# Altium PCB PCB_8ct61.PcbDoc
Units mil, origin at the board's own origin, x right, y up, seen from the top; angles counter-clockwise.
Board outline 3228.35 x 3149.61 mil, 2 copper layers (Top Layer, Bottom Layer); 53 components, 49 nets, 229 pads, 0 vias.
Unrouted connection lines stored in the file: 124.
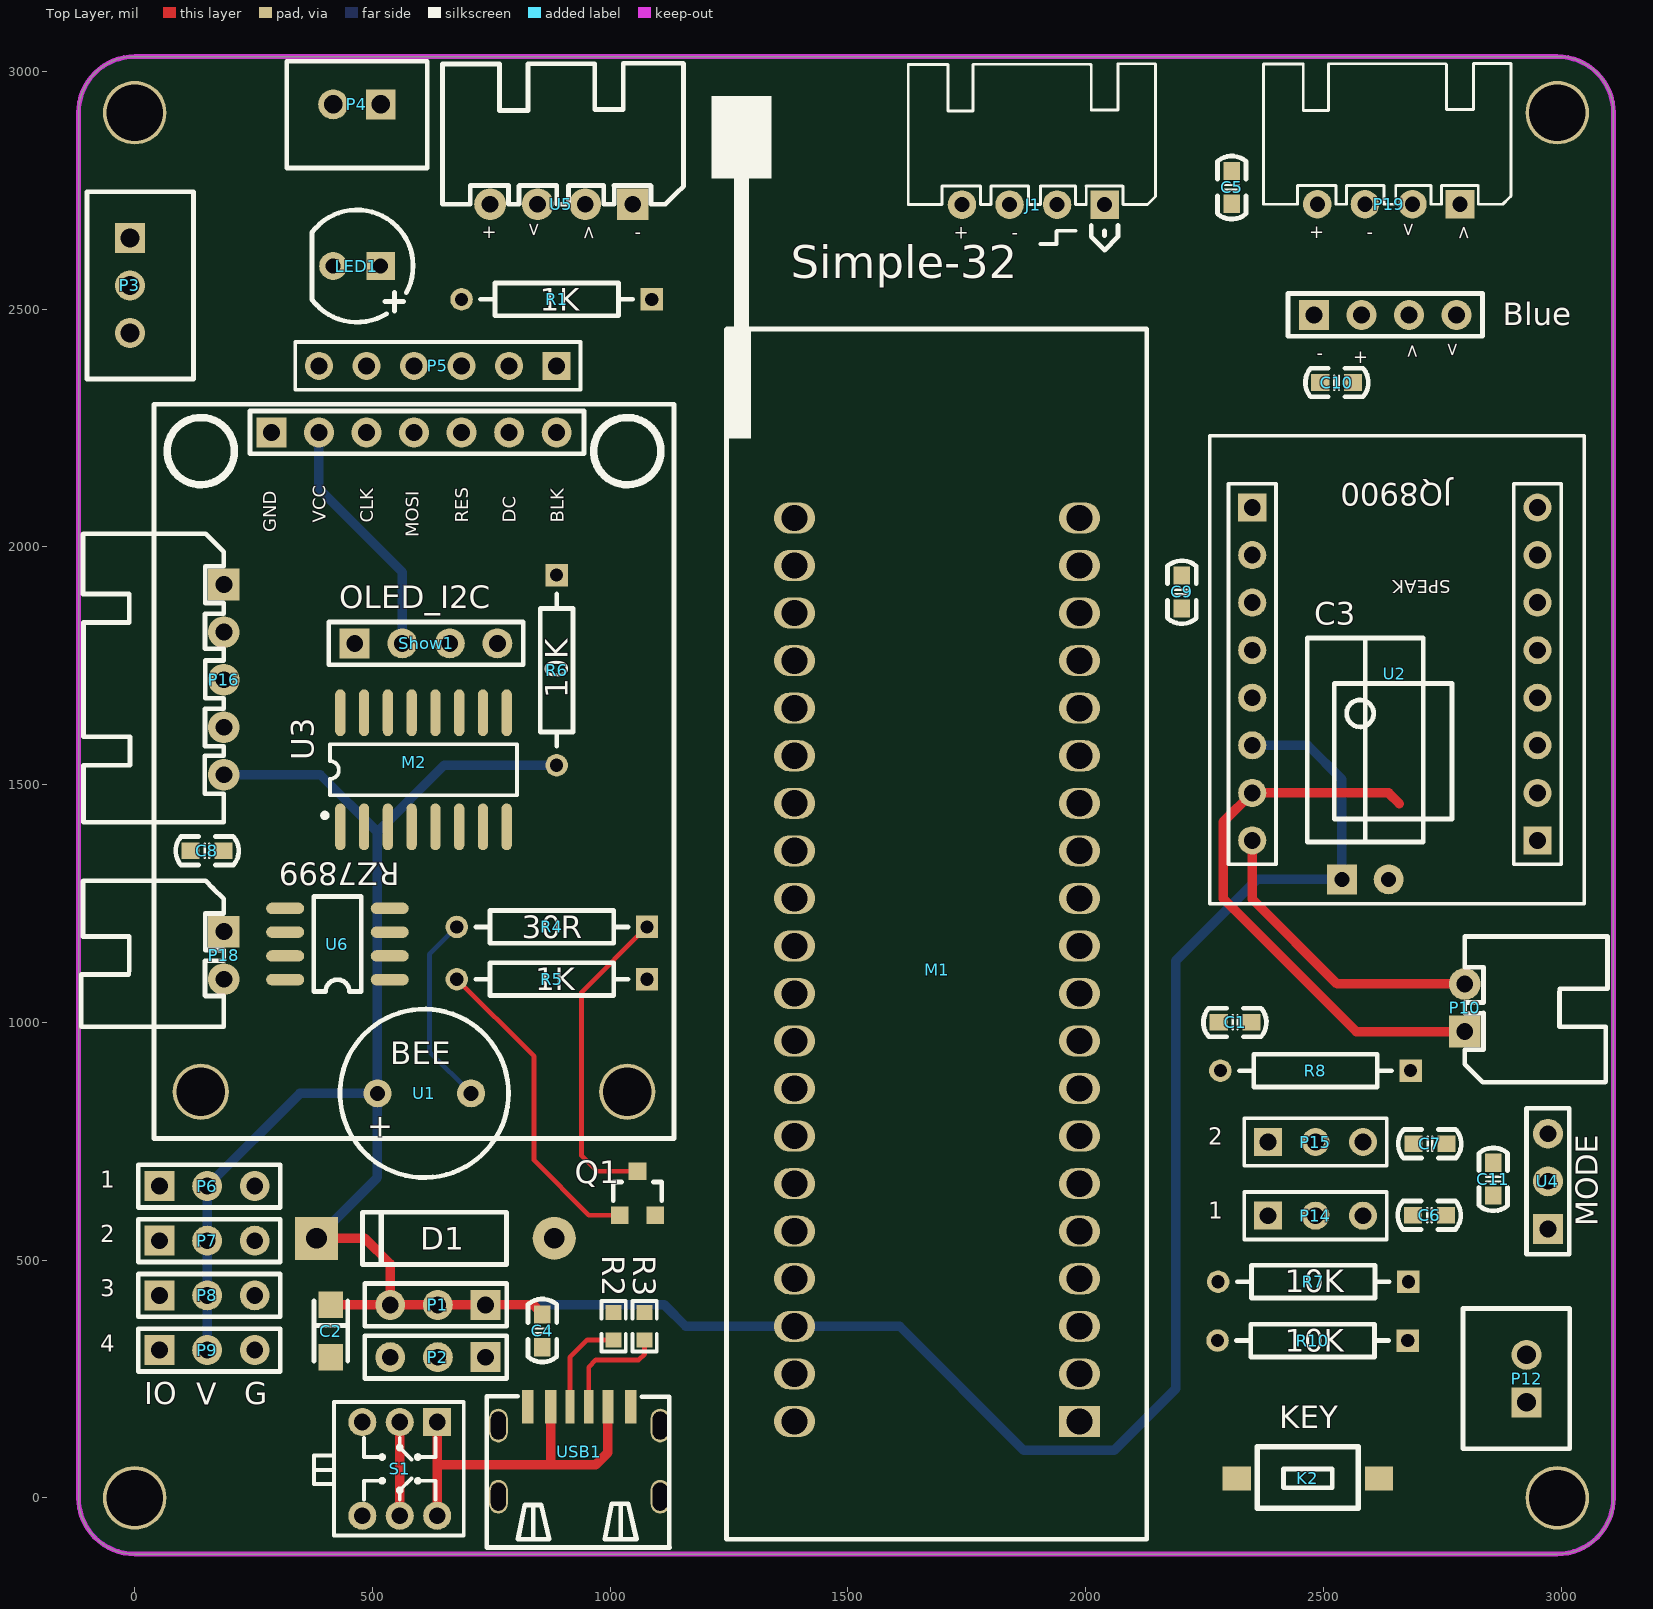
[diagram p0: Top Layer view]
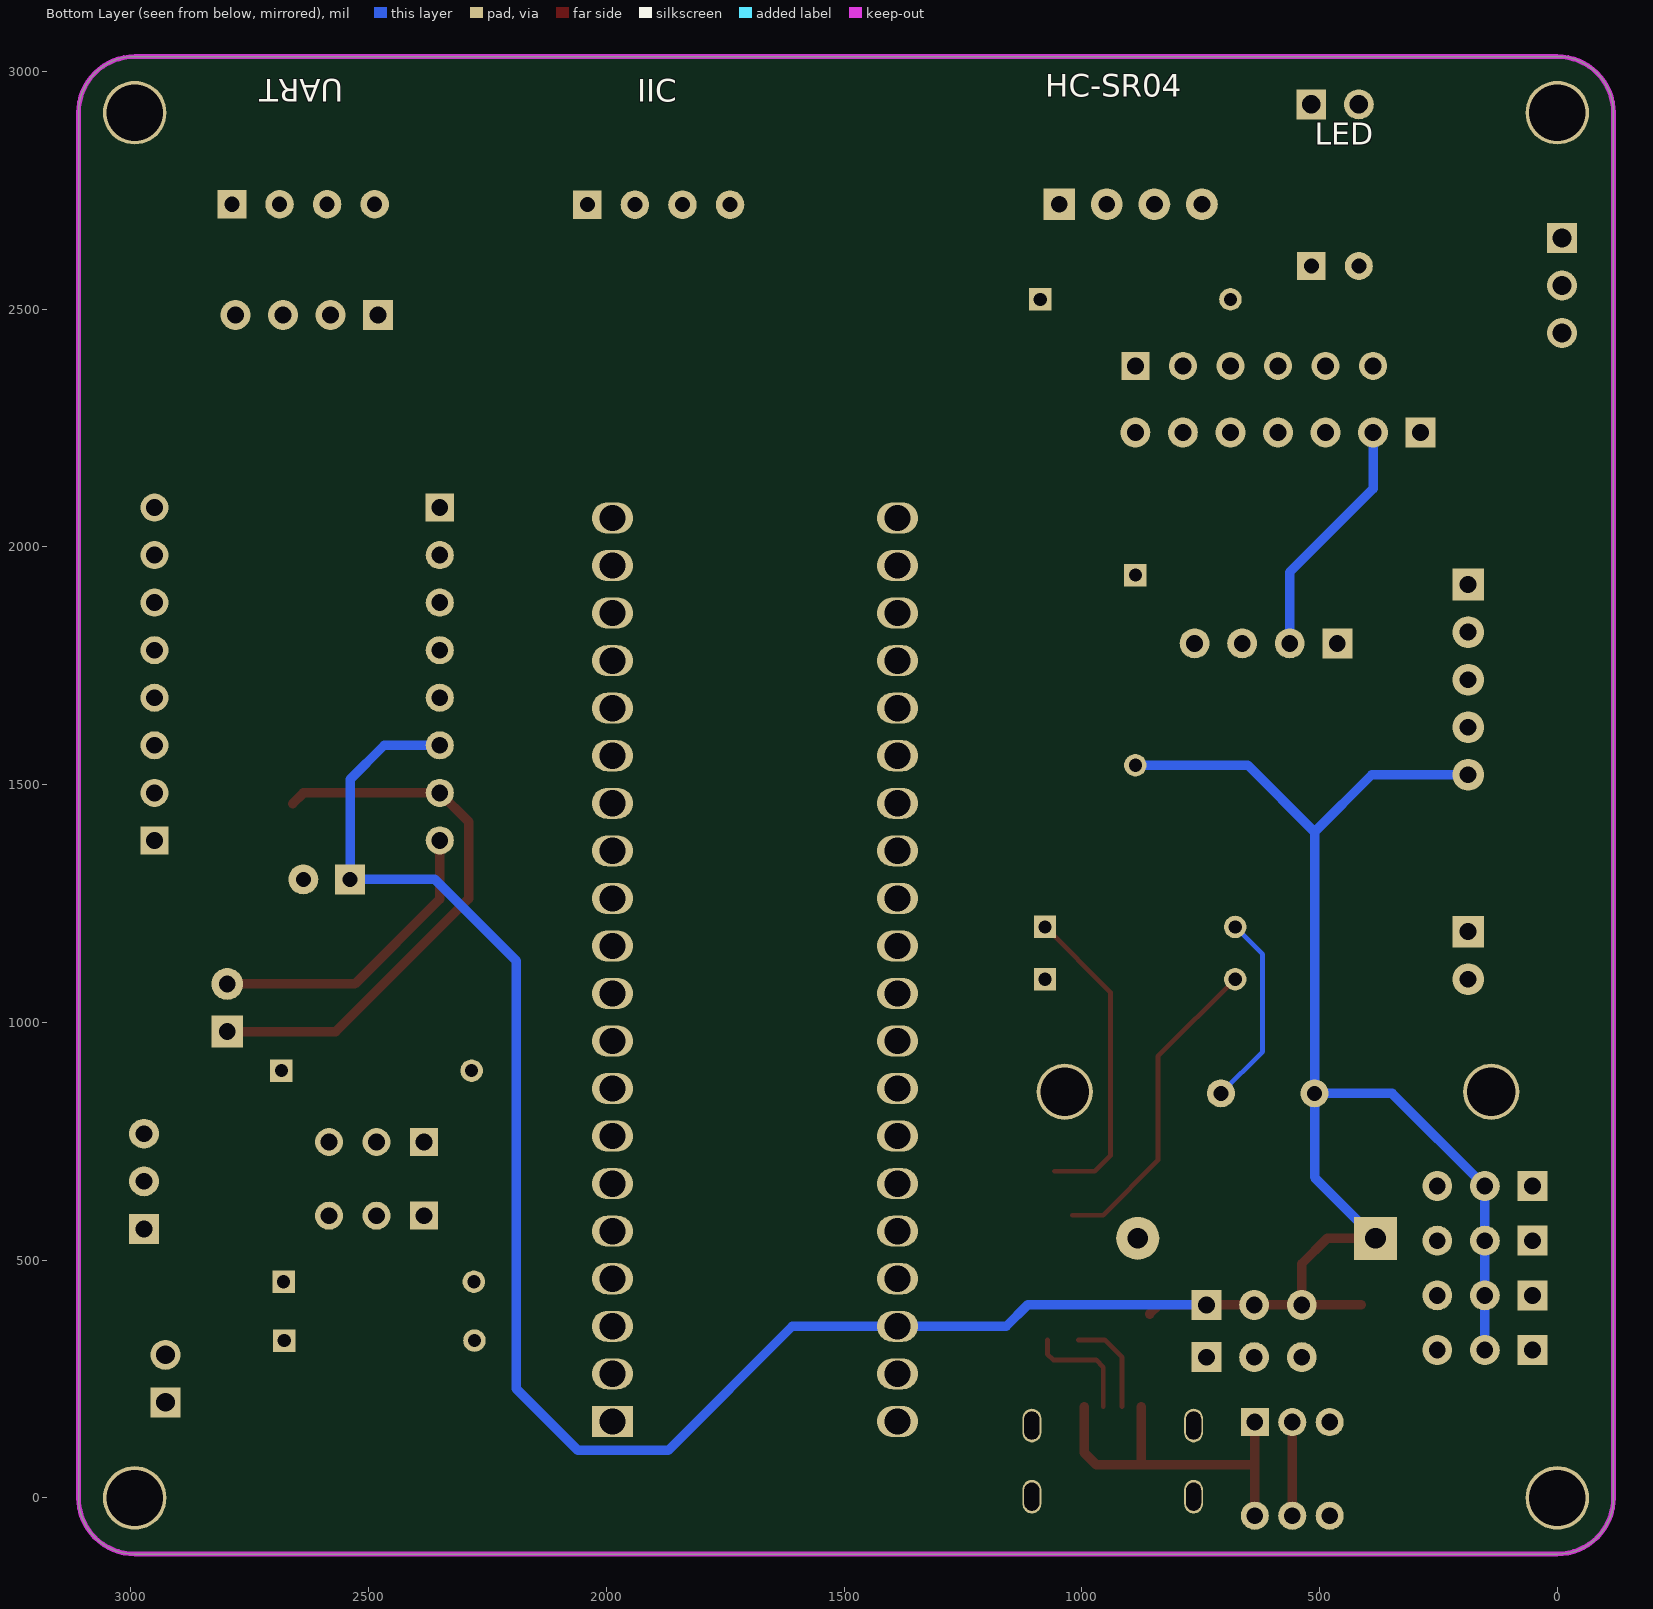
[diagram p1: Bottom Layer view, seen from below]

## Layer stack, top to bottom
Top Solder: solder mask 0.4, Solder Resist, Dk 3.5
Top Layer: signal copper 1.4
Dielectric 1: dielectric 12.6, FR-4, Dk 4.8
Bottom Layer: signal copper 1.4
Bottom Solder: solder mask 0.4, Solder Resist, Dk 3.5

## Board outline
-118.11,0 ccw(c0,0) 0,-118.11 2992.13,-118.11 ccw(c2992.13,0) 3110.24,0 3110.24,2913.39 ccw(c2992.13,2913.39) 2992.13,3031.5 0,3031.5 ccw(c0,2913.39) -118.11,2913.39

## Design rules (kind name [scope] priority, off if disabled: settings)
Clearance [All] p1: gap=8 ignorepadtopadclearanceinfootprint=TRUE
Height [All] p1: minheight=0 maxheight=2000 prefheight=500
HoleSize [All] p1: absolutevalues=TRUE maxlimit=118.11 minlimit=1 maxpercent=80.000 minpercent=20.000
MinimumSolderMaskSliver [All] p1: minsoldermaskwidth=8
PolygonConnect [All] p1: connectstyle=Relief reliefconductorwidth=10 reliefentries=4 polygonreliefangle="90 Angle" airgapwidth=10
RoutingVias [All] p1: holewidth=28 width=50 viastyle="Through Hole" minholewidth=12 minwidth=24 maxholewidth=28 maxwidth=50
SilkToSilkClearance [All] p1: silktosilkclearance=0
SilkToSolderMaskClearance [IsPad] p1: minsilkscreentomaskgap=0 clearancetoexposedcopper=TRUE
SolderMaskExpansion [All] p1: expansion=4 istentingtop=FALSE
Width [All] p1: maxlimit=50 minlimit=8 preferedwidth=10
25 further rules are at their usual default settings.

## Classes and differential pairs
component class Sheet2: Blue C8 C9 C10 C11 J1 P16 P18 P19 U3 U4 U5 U6
component class Sheet1: C1 C2 C3 C4 C5 C6 C7 D1 K2 LED1 M1 M2 P1 P2 P3 P4 P5 P6 P7 P8 P9 P10 P12 P14 P15 Q1 R1 R2 R3 R4 R5 R6 R7 R8 R10 S1 Show1 U1 U2 USB1

## Components (designator, comment, footprint, x,y, rotation, side; value= is the part's Value field where it differs from the comment)
Blue "JDY-18" uart-Haerd 2480.24,2487.95 r180 top (schematic designator Blue1)
C1 "100NF" CAP_0603 2349,1000 r180 top
C2 "100UF" CAP_3216_A 412.48,350.87 r90 top
C3 "220UF" CAP_PR_2.5_6.3_RA 2588.27,1300.87 r0 top
C4 "100NF" CAP_0603 857.48,316.87 r90 top
C5 "100NF" CAP_0603 2307.48,2790.87 r270 top
C6 "100NF" CAP_0603 2757.74,594.65 r180 top
C7 "100NF" CAP_0603 2758.74,744.65 r180 top
C8 "100NF" CAP_0603 117.48,1360.87 r0 top
C9 "100NF" CAP_0603 2202.48,1939.87 r270 top
C10 "100NF" CAP_0603 2493.48,2345.87 r0 top
C11 "100NF" CAP_0603 2857.48,704.87 r270 top
D1 "1N4148" Diode_DO15 632.48,545.87 r0 top
J1 "IIC" IIC-XH2.54-4PIN 2040,2720 r180 top
K2 "KEY" SW_PB_3X6 2467.48,40.87 r0 top
LED1 "LED_R/G/B/Y" LED_5MM 467.48,2590.87 r180 top
M1 "STM32F103C8t6最小系统板" STM32F103C8_SIMPLE 1987.48,160.87 r180 top locked
M2 "ST7899" LCD_1.3_MODE 287.48,2240.87 r0 top locked
P1 "Header 3" "Header 2.54X3" 637.48,405.87 r180 top
P2 "Header 3" "Header 2.54X3" 637.48,295.87 r180 top
P3 "Header 3" XH_2.54_3P -10,2550 r270 top
P4 "Header 2" XH_2.54_2P 467.48,2930.87 r180 top
P5 "Header 6" HDR1X6 887.48,2380.87 r180 top
P6 "Header3" "Header 2.54X3" 152.48,655.87 r0 top
P7 "Header3" "Header 2.54X3" 152.48,540.87 r0 top
P8 "Header3" "Header 2.54X3" 152.48,425.87 r0 top
P9 "Header3" "Header 2.54X3" 152.48,310.87 r0 top
P10 "Header 2" XH2.54-WI-2P 2797.48,1030.87 r90 top
P12 "Header 2" XH_2.54_2P 2927.48,250.87 r90 top
P14 "Header 3" HDR1X3 2383.43,593.46 r0 top
P15 "Header 3" HDR1X3 2383.43,748.46 r0 top
P16 "Header 5" XH2.54-WI-5P 187.48,1720.87 r270 top
P18 "OUT" XH2.54-WI-2P 187.48,1140.87 r270 top
P19 "UART" UART 2787.48,2720.87 r180 top
Q1 "NPN" SOT23_3 1057.48,640.87 r270 top
R1 "1K" RES_0.4_1/4W 887.48,2520.87 r180 top
R2 "5.1K" RESC_0603_2 1007.48,360.87 r90 top
R3 "5.1K" RESC_0603_2 1072.48,360.87 r90 top
R4 "30R" RES_0.4_1/4W 877.48,1200.87 r180 top
R5 "1K" RES_0.4_1/4W 877.48,1090.87 r180 top
R6 "10K" RES_0.4_1/4W 887.48,1740.87 r270 top
R7 "10K" RES_0.4_1/4W 2478.74,454.65 r180 top
R8 "10K" RES_0.4_1/4W 2483.43,898.46 r180 top
R10 "10K" RES_0.4_1/4W 2477.48,330.87 r180 top
S1 "Switch.02" SWITCH-KFC-7 557.48,60.87 r180 top
Show1 "OLED_I2C" "Header F 2.54X4" 612.78,1797.26 r0 top
U1 "BEE" BEE-FMQ5mm 510.63,850.87 r0 top
U2 "JQ8900" SPKMO 2647.48,1880.87 r0 top
U3 "ULN2003" SOP16 607.48,1530.87 r90 top
U4 "MODE" "Header F 2.54X3" 2972.48,665.87 r90 top
U5 "HC-SR04" Ultrasonic 1047.48,2720.87 r180 top
U6 "RZ7899" SOP_8_M 427.48,1170.87 r180 top
USB1 "Type_c" USB-Type-c_6P 937.48,95.87 r0 top

## Footprints (in the part's own frame and the unit in brackets; to place one, negate y for a bottom-side part, rotate by r counter-clockwise, add the part's x,y. Pads: shape width x height; smd on the part's side, far side on the other; paste and mask are expansions set on the pad)
BEE-FMQ5mm [mm]
  round 1.5 hole 0.8: 1(0,0) 2(5,0)
  silkscreen extent -2,-4.5 7,4.5, body extent -2,-4.5 7,4.5, height 4.5
CAP_0603 [mil]
  rect 38x35 smd: 1(0,0) 2(69,0)
  silkscreen extent -31,-30 101,30, body extent 4,-16 67,16, height 12
CAP_3216_A [mm]
  rect 1.4x1.3 smd: 1(1.4,0) 2(-1.4,0)
  silkscreen extent -1.6,-0.9 1.6,0.9, body extent -1.6,-0.8 1.6,0.8, height 1.6
CAP_PR_2.5_6.3_RA [mm] "6.3X11"
  rect 1.6x1.6 hole 0.8: 1(-1.25,0)
  round 1.6 hole 0.8: 2(1.25,0)
  silkscreen extent -3.1,2 3.1,12.9, body extent -3.18,-0.3 3.18,13.02, height 6.38
Diode_DO15 [mm]
  rect 2.3x2.3 hole 1.1: 1(-6.35,0)
  round 2.3 hole 1.1: 2(6.35,0)
  silkscreen extent -3.9,-1.4 3.8,1.4, body extent -6.73,-1.76 6.83,1.8, height 3.58
HDR1X3 [mm] "Connector; Header; 3 Position"
  rect 1.5x1.5 hole 0.9: 1(0,0)
  round 1.5 hole 0.9: 2(2.54,0) 3(5.08,0)
  silkscreen extent -1.27,-1.27 6.35,1.27, body extent -1.27,-1.32 6.35,1.22, height 8.54
HDR1X6 [mm] "Connector; Header; 6 Position"
  rect 1.5x1.5 hole 0.9: 1(0,0)
  round 1.5 hole 0.9: 2(2.54,0) 3(5.08,0) 4(7.62,0) 5(10.16,0) 6(12.7,0)
  silkscreen extent -1.27,-1.27 13.97,1.27, body extent -1.37,-1.27 13.87,1.27, height 8.54
"Header 2.54X3" [mm]
  rect 1.6x1.6 hole 0.9: 1(-2.54,0)
  round 1.6 hole 0.9: 2(0,0) 3(2.54,0)
  silkscreen extent -3.68,-1.14 3.9,1.14, body extent -3.68,-1.23 3.94,1.27, height 8.3
"Header F 2.54X3" [mm]
  rect 1.6x1.6 hole 0.9: 1(-2.54,0)
  round 1.6 hole 0.9: 2(0,0) 3(2.54,0)
  silkscreen extent -3.9,-1.14 3.9,1.14, body extent -3.94,-1.26 3.94,1.24, height 8.6
"Header F 2.54X4" [mm]
  rect 1.6x1.6 hole 0.9: 1(-3.81,0)
  round 1.6 hole 0.9: 2(-1.27,0) 3(1.27,0) 4(3.81,0)
  silkscreen extent -5.2,-1.14 5.19,1.14, body extent -5.21,-1.25 5.21,1.25, height 8.6
IIC-XH2.54-4PIN [mil] "-XH2.54-4PIN-"
  rect 60x60 hole 32: 1(0,0)
  round 60 hole 32: 2(100,0) 3(200,0) 4(300,0)
  silkscreen extent -107,-296 413,96, body extent -105,-300 415,11, height 236
LCD_1.3_MODE [mm]
  round 3 hole 2.6: 0(-3.77,-35.22) 0(19.01,-35.22)
  rect 1.6x1.6 hole 0.9: 1(0,0)
  round 1.6 hole 0.9: 2(2.54,0) 3(5.08,0) 4(7.62,0) 5(10.16,0) 6(12.7,0) 7(15.24,0)
  silkscreen extent -6.27,-37.72 21.51,1.5, body extent -6.47,-37.72 21.71,1.5, height 17.05
LED_5MM [mm]
  rect 1.5x1.5 hole 0.8: 1(-1.27,0)
  round 1.5 hole 0.8: 2(1.27,0)
  silkscreen extent -3,-3 2.4,3, body extent -3,-3 2.5,3, height 8.5
RES_0.4_1/4W [mm]
  rect 1.2x1.2 hole 0.7: 1(-5.08,0)
  round 1.2 hole 0.7: 2(5.08,0)
  silkscreen extent -4.06,-0.87 4.06,0.87, body extent -5.38,-1.25 5.38,1.27, height 2.56
RESC_0603_2 [mm]
  rect 0.8x0.85 smd: 1(-0.73,0) 2(0.73,0)
  silkscreen extent -1.35,-0.65 1.35,0.65, body extent -0.8,-0.4 0.8,0.4, height 0.38
SOP16 [mm] "SOP, 16-Leads, Body 9.90x3.90mm, Pitch 1.27mm, IPC Medium Density"
  oval 2.5x0.55 smd: 1(-3.035,4.445) 2(-3.035,3.175) 3(-3.035,1.905) 4(-3.035,0.635) 5(-3.035,-0.635) 6(-3.035,-1.905) 7(-3.035,-3.175) 8(-3.035,-4.445) 9(3.06,-4.445) 10(3.06,-3.175) 11(3.06,-1.905) 12(3.06,-0.635) 13(3.06,0.635) 14(3.06,1.905) 15(3.06,3.175) 16(3.06,4.445)
  silkscreen extent -2.55,-5 1.37,5.39, body extent -2.93,-4.98 2.98,5, height 1.45
SOP_8_M [mil] "5.58"
  oval 80x24 smd: 1(-109,81) 2(-109,31) 3(-109,-19) 4(-109,-69) 5(111,-69) 6(111,-19) 7(111,31) 8(111,81)
  silkscreen extent -49,-94 51,106, body extent -117,-92 121,106, height 63
SOT23_3 [mm]
  rect 0.95x0.95 smd: 1(1.175,-0.95) 2(1.175,0.95) 3(-1.175,0)
  silkscreen extent -0.6,-1.3 0.4,1.3, body extent -1.34,-1.5 1.3,1.5, height 1.08
SPKMO [mm]
  rect 1.5x1.5 hole 0.9: 1(-7.544,5.131) 9(7.696,-12.649)
  round 1.5 hole 0.9: 2(-7.544,2.591) 3(-7.544,0.051) 4(-7.544,-2.489) 5(-7.544,-5.029) 6(-7.544,-7.569) 7(-7.544,-10.109) 8(-7.544,-12.649) 10(7.696,-10.109) 11(7.696,-7.569) 12(7.696,-5.029) 13(7.696,-2.489) 14(7.696,0.051) 15(7.696,2.591) 16(7.696,5.131)
  silkscreen extent -9.81,-16.04 10.19,8.96, body extent -9.8,-16 10.26,9.58, height 15.39
STM32F103C8_SIMPLE [mm]
  rect 2.2x1.66 hole 1.4: 1(0,0)
  oval 2.2x1.66 hole 1.4: 2(0,-2.54) 3(0,-5.08) 4(0,-7.62) 5(0,-10.16) 6(0,-12.7) 7(0,-15.24) 8(0,-17.78) 9(0,-20.32) 10(0,-22.86) 11(0,-25.4) 12(0,-27.94) 13(0,-30.48) 14(0,-33.02) 15(0,-35.56) 16(0,-38.1) 17(0,-40.64) 18(0,-43.18) 19(0,-45.72) 20(0,-48.26) 21(15.24,-48.26) 22(15.24,-45.72) 23(15.24,-43.18) 24(15.24,-40.64) 25(15.24,-38.1) 26(15.24,-35.56) 27(15.24,-33.02) 28(15.24,-30.48) 29(15.24,-27.94) 30(15.24,-25.4) 31(15.24,-22.86) 32(15.24,-20.32) 33(15.24,-17.78) 34(15.24,-15.24) 35(15.24,-12.7) 36(15.24,-10.16) 37(15.24,-7.62) 38(15.24,-5.08) 39(15.24,-2.54) 40(15.24,0)
  silkscreen extent -3.58,-70.81 19.67,6.29, body extent -3.96,-70.9 19.9,6.29, height 25.5
SW_PB_3X6 [mm]
  rect 1.5x1.3 smd: 1(-3.8,0) 2(3.8,0)
  silkscreen extent -2.7,-1.6 2.7,1.7, body extent -4,-1.85 4,1.85, height 2.6
SWITCH-KFC-7 [mm] "自锁开关，规格：7*7mm"
  round 1.5 hole 0.9: 1(0,-2.5) 3(2,-2.5) 4(0,2.5) 5(-2,2.5) 6(2,2.5)
  rect 1.5x1.5 hole 0.9: 2(-2,-2.5)
  silkscreen extent -3.42,-3.58 4.58,3.56, body extent -3.5,-3.5 3.5,3.5, height 11.2
UART [mil] "-XH2.54-4PIN"
  rect 60x60 hole 32: 1(0,0)
  round 60 hole 32: 2(100,0) 3(200,0) 4(300,0)
  silkscreen extent -107,-296 413,0, body extent -105,-300 415,11, height 236
uart-Haerd [mm]
  rect 1.6x1.6 hole 0.9: 1(0,0)
  round 1.6 hole 0.9: 2(-2.54,0) 3(-5.08,0) 4(-7.62,0)
  silkscreen extent -9,-1.14 1.39,1.14, body extent -9.02,-1.25 1.4,1.25, height 8.6
Ultrasonic [mm] "-XH2.54-4PIN"
  round 1.7 hole 0.9: 1(7.62,0) 2(5.08,0) 3(2.54,0)
  rect 1.7x1.7 hole 0.9: 4(0,0)
  silkscreen extent -2.72,-7.53 10.16,0, body extent -2.5,-7.35 10.12,0.35, height 5.73
USB-Type-c_6P [mm]
  oval 1x1.8 hole 0.8 slot 1.5 at 90 deg: A(-4.38,1.43) B(4.256,1.43) C(-4.38,-2.37) D(4.256,-2.37)
  rect 0.5x1.8 smd: A5(-0.56,2.43) B5(0.44,2.43)
  rect 0.6x1.8 smd: A9(1.47,2.43) A12(2.69,2.43) B9(-1.59,2.43) B12(-2.81,2.43)
  silkscreen extent -5,-5.08 4.76,3, body extent -4.53,-4.97 4.41,1.83, height 3.22
XH2.54-WI-2P [mm] "接插件，2P"
  rect 1.7x1.7 hole 0.9: 1(-1.27,0)
  round 1.7 hole 0.9: 2(1.27,0)
  silkscreen extent -3.99,-7.62 3.81,0, body extent -3.77,-7.35 3.77,0.35, height 5.73
XH2.54-WI-5P [mm] "接插件，5P"
  rect 1.7x1.7 hole 0.9: 1(-5.08,0)
  round 1.7 hole 0.9: 2(-2.54,0) 3(0,0) 4(2.54,0) 5(5.08,0)
  silkscreen extent -7.8,-7.53 7.62,0, body extent -7.58,-7.35 7.58,0.35, height 5.73
XH_2.54_2P [mm]
  rect 1.6x1.6 hole 1: 1(-1.27,0)
  round 1.6 hole 1: 2(1.27,0)
  silkscreen extent -3.75,-2.3 3.75,3.4, body extent -3.75,-2.3 3.75,3.4, height 7
XH_2.54_3P [mm]
  rect 1.6x1.6 hole 1: 1(-2.54,0)
  round 1.6 hole 1: 2(0,0) 3(2.54,0)
  silkscreen extent -5,-2.3 5,3.4, body extent -5,-2.3 5,3.4, height 7

## Part data
Blue Show1: "MODE"
C1 C4 C5 C6 C7 C8 C9 C10 C11: library part CAP, "CAP  12~50V"
C2: library part CAP_TA, "CAP  6~12V  钽电容"
C3: library part CAP_BIG, "CAP 12V ~ 50V   电解电容"
D1: library part Diode-DO, "Diode_肖特基/二极管  / 直插"
J1: "Heard"
K2: "Key"
LED1: library part LED, "LED"
M1: library part STM32F103C-Sys, "Mode STM32F103C8t6最小系统板"
M2: library part LCD_TFT_1.3_MODE, "SHOW"
P1 P2 P3 P14 P15: "Header, 3-Pin", LatestRevisionDate=17-Jul-2002, LatestRevisionNote="Re-released for DXP Platform.", Publisher="Altium Limited"
P4 P10 P12: "Header, 2-Pin", LatestRevisionDate=17-Jul-2002, LatestRevisionNote="Re-released for DXP Platform.", Publisher="Altium Limited"
P5: "Header, 6-Pin", LatestRevisionDate=17-Jul-2002, LatestRevisionNote="Re-released for DXP Platform.", Publisher="Altium Limited"
P6 P7 P8 P9: library part PWM_D, "Header"
P16: "Header, 5-Pin", LatestRevisionDate=17-Jul-2002, LatestRevisionNote="Re-released for DXP Platform.", Publisher="Altium Limited"
P18: library part OUT_2PIN, "Header"
P19: "Header"
R1 R2 R3 R4 R5 R6 R7 R8 R10: library part RES, "RES 贴片"
S1: library part Switch_2, "Switch"
U1: library part BZZ
U2: library part SPKMO_8900, "MODE"
U3: "IC"
U4: library part MODE_3Pin
U5: library part Ultrasonic, "Mode"
U6: "Dreiv"
USB1: library part USB-Type_c-6PIn, "USB"

## Free pads (board coordinates)
  round 133.86 hole 118.11: 0(0,2913.39) 0(0,0) 0(2992.13,2913.39) 0(2992.13,0)

## Nets (pads, with @x,y where several pads share a name; then routed paths per layer and width w, separated by ;. In a path a pad name is that pad's centre, name@x,y a point inside that pad or via, vN(x,y) a via of type N, cw(c..) or ccw(c..) an arc to the next point about the centre after c; other vN are vias at no path point)
+5: C2.1 C3.1 C4.2 C5.2 D1.1 J1.4 M1.38 M2.2 P1.1 P1.2 P1.3 P3.2 P5.1 P6.2 P7.2 P8.2 P9.2 P16.5 P19.4 R6.2 S1.1 S1.4 Show1.2 U1.1 U2.6 U3.9 U5.1 U6.4 | length 7312
  Top Layer w20: D1.1 484.13,545.87 537.48,492.52 P1.3 ; C2.1 412.54,405.93 P1.3 P1.3 ; S1.4 S1.1 ; C4.2 857.48,387.37 838.98,405.87 P1.1 P1.2 P1.3
  Bottom Layer w20: P9.2 P8.2 P7.2 P6.2 347.48,850.87 U1.1 ; P16.5 390.39,1520.87 510.63,1400.63 ; D1.1 510.63,674.02 U1.1 ; M2.2 387.48,2122.52 562.78,1947.22 Show1.2 ; P1.1 1114.13,405.87 1159.13,360.87 M1.38 1609.13,360.87 1870,100 2060,100 2190,230 2190,1130 2360.87,1300.87 C3.1 2539.06,1510.94 2467.13,1582.87 U2.6 ; R6.2 650.87,1540.87 510.63,1400.63 ; U1.1 510.63,1400.63
ADC_1: C6.1 M1.9 P14.2 R7.1
ADC_2: C7.1 M1.10 P15.2 R8.1
BEE: M1.29 R5.1
BI: M1.6 U6.1
CC1: R2.1 USB1.A5 | length 211.1
  Top Layer w10: USB1.A5 915.43,295.43 952.13,332.13 R2.1
CC2: R3.1 USB1.B5 | length 242.1
  Top Layer w10: USB1.B5 954.8,274.8 970,290 1060,290 1072.48,302.48 R3.1
D/C: M1.25 M2.6
Debug_R: Blue.4 M1.27
Debug_T: Blue.3 M1.26
DS18B20: M1.31 U4.2
Echo: M1.32 U5.3
FI: M1.5 U6.2
GND: Blue.1 C1.1 C2.2 C3.2 C4.1 C5.1 C6.2 C7.2 C9.1 C10.1 C11.1 D1.2 J1.3 K2.1 M1.19 M1.20 M1.39 M2.1 P2.1 P2.2 P2.3 P3.3 P5.6 P6.3 P7.3 P8.3 P9.3 P12.2 P14.3 P15.3 P19.3 Q1.2 R2.2 R3.2 Show1.1 U2.5 U3.8 U4.3 U5.4 U6.3 USB1.A USB1.A12 USB1.B USB1.B12 USB1.C USB1.D
GPIO1: M1.14 U3.4
GPIO2: M1.13 U3.3
GPIO3: M1.12 U3.2
GPIO4: M1.11 U3.1
KEY: K2.2 M1.2 P12.1 R10.1
LED: LED1.2 M1.28 P3.1 P4.2
MISO: M1.23 P5.4
MOSI: M1.24 M2.4 P5.5
NetC8_1: C8.1 P18.1 U6.5 U6.6
NetC8_2: C8.2 P18.2 U6.7 U6.8
NetLED1_1: LED1.1 P4.1 R1.2
NetM2_7: M2.7 R6.1
NetP16_1: P16.1 U3.13
NetP16_2: P16.2 U3.14
NetP16_3: P16.3 U3.15
NetP16_4: P16.4 U3.16
NetQ1_1: Q1.1 R5.2 | length 676.1
  Top Layer w10: R5.2 840,928.35 840,710 955.39,594.61 Q1.1
NetQ1_3: Q1.3 R4.1 | length 668.9
  Top Layer w10: Q1.3 972.87,687.13 940,720 940,1063.39 R4.1
NetR4_2: R4.2 U1.2 | length 410
  Bottom Layer w10: R4.2 620,1143.39 620,938.35 U1.2
NSS: M1.21 P5.2
PWM1: M1.34 P6.1
PWM2: M1.35 P7.1
PWM3: M1.36 P8.1
PWM4: M1.37 P9.1
RES: M1.30 M2.5
RXD2: M1.8 P19.2
SCK: M1.22 M2.3 P5.3
SCL: J1.2 M1.15 Show1.3
SDA: J1.1 M1.16 Show1.4
SPK+: P10.2 U2.8 | length 644.3
  Top Layer w20: U2.8 2350.48,1259.52 2529.13,1080.87 P10.2
SPK-: P10.1 U2.7 | length 1190
  Top Layer w20: 2660,1460 2637.13,1482.87 U2.7 2290,1422.39 2290,1260 2569.13,980.87 P10.1
Trig: M1.33 U5.2
TXD2: M1.7 P19.1 U2.3
VDD: Blue.2 C1.2 C9.2 C10.2 C11.2 M1.1 M1.18 P14.1 P15.1 R1.1 R7.2 R8.2 R10.2 U4.1
VUSB: S1.2 S1.5 USB1.A9 USB1.B9 | length 784.2
  Top Layer w20: S1.5 636.22,70 ; S1.2 636.22,70 ; USB1.B9 874.88,70 ; USB1.A9 995.35,95.35 970,70 874.88,70 ; 636.22,70 874.88,70
pads on no net: M1.3 M1.4 M1.17 M1.40 M2.0 S1.3 S1.6 U2.1 U2.2 U2.4 U2.9 U2.10 U2.11 U2.12 U2.13 U2.14 U2.15 U2.16 U3.5 U3.6 U3.7 U3.10 U3.11 U3.12

## Keep-outs
Keep-Out Layer:
  the board outline again, w10

## Silkscreen, mask and mechanical layers (free items; w line width, h text height)
Top Overlay:
  text "2" at 2257.48,730.87 h60
  text "1" at -72.52,640.87 h60
  text "1" at 2257.48,575.87 h60
  text "2" at -72.52,525.87 h60
  text "3" at -72.52,411.42 h60
  text "4" at -72.52,295.87 h60
  text "IO" at 20,180.73 h78.74
  text "G" at 230.07,180.73 h78.74
  text "V" at 130,180 h78.74
Bottom Overlay:
  text "LED" at 510,2830 h78.74
Mechanical 15:
  lines w10: 139.06,854.25 139.06,1473.54 462.78,1797.26

## Text inside footprints (layer, text, board x,y; h text height)
Blue: Top Overlay "+" at 2594.71,2419.88 h47.24 r180; Top Overlay "-" at 2499.88,2424.55 h47.24 r180; Top Overlay "<" at 2750.23,2398.95 h47.24 r270; Top Overlay "<" at 2709.28,2426.95 h47.24 r90
J1: Top Overlay "-" at 1858,2638.92 h47.24; Top Overlay "+" at 1723,2681.77 h47.24 r180
M1: Top Overlay "Simple-32" at 1380.11,2542.19 h118.11
M2: Top Overlay "BLK" at 911.48,2050.87 h47.24 r90; Top Overlay "DC" at 811.04,2050.87 h47.24 r90; Top Overlay "RES" at 711.04,2050.87 h47.24 r90; Top Overlay "MOSI" at 607.04,2020.87 h47.24 r90; Top Overlay "CLK" at 511.04,2050.91 h47.24 r90; Top Overlay "VCC" at 411.04,2050.87 h47.24 r90; Top Overlay "GND" at 307.04,2030.91 h47.24 r90
P19: Top Overlay "<" at 2817,2676.87 h47.24 r90; Top Overlay "<" at 2657.96,2651.87 h47.24 r270; Top Overlay "-" at 2605.48,2639.78 h47.24; Top Overlay "+" at 2470.48,2682.63 h47.24 r180
U1: Top Overlay "+" at 489.63,759.87 h47.24
U2: Top Overlay "SPEAK" at 2767.65,1939.55 h47.24 r180
U5: Top Overlay "<" at 977,2676.87 h47.24 r90; Top Overlay "<" at 817.96,2651.87 h47.24 r270; Top Overlay "+" at 730.48,2682.63 h47.24 r180; Top Overlay "-" at 1065.48,2639.78 h47.24